# Allegro board ftu_k64_evk.brd (continued)
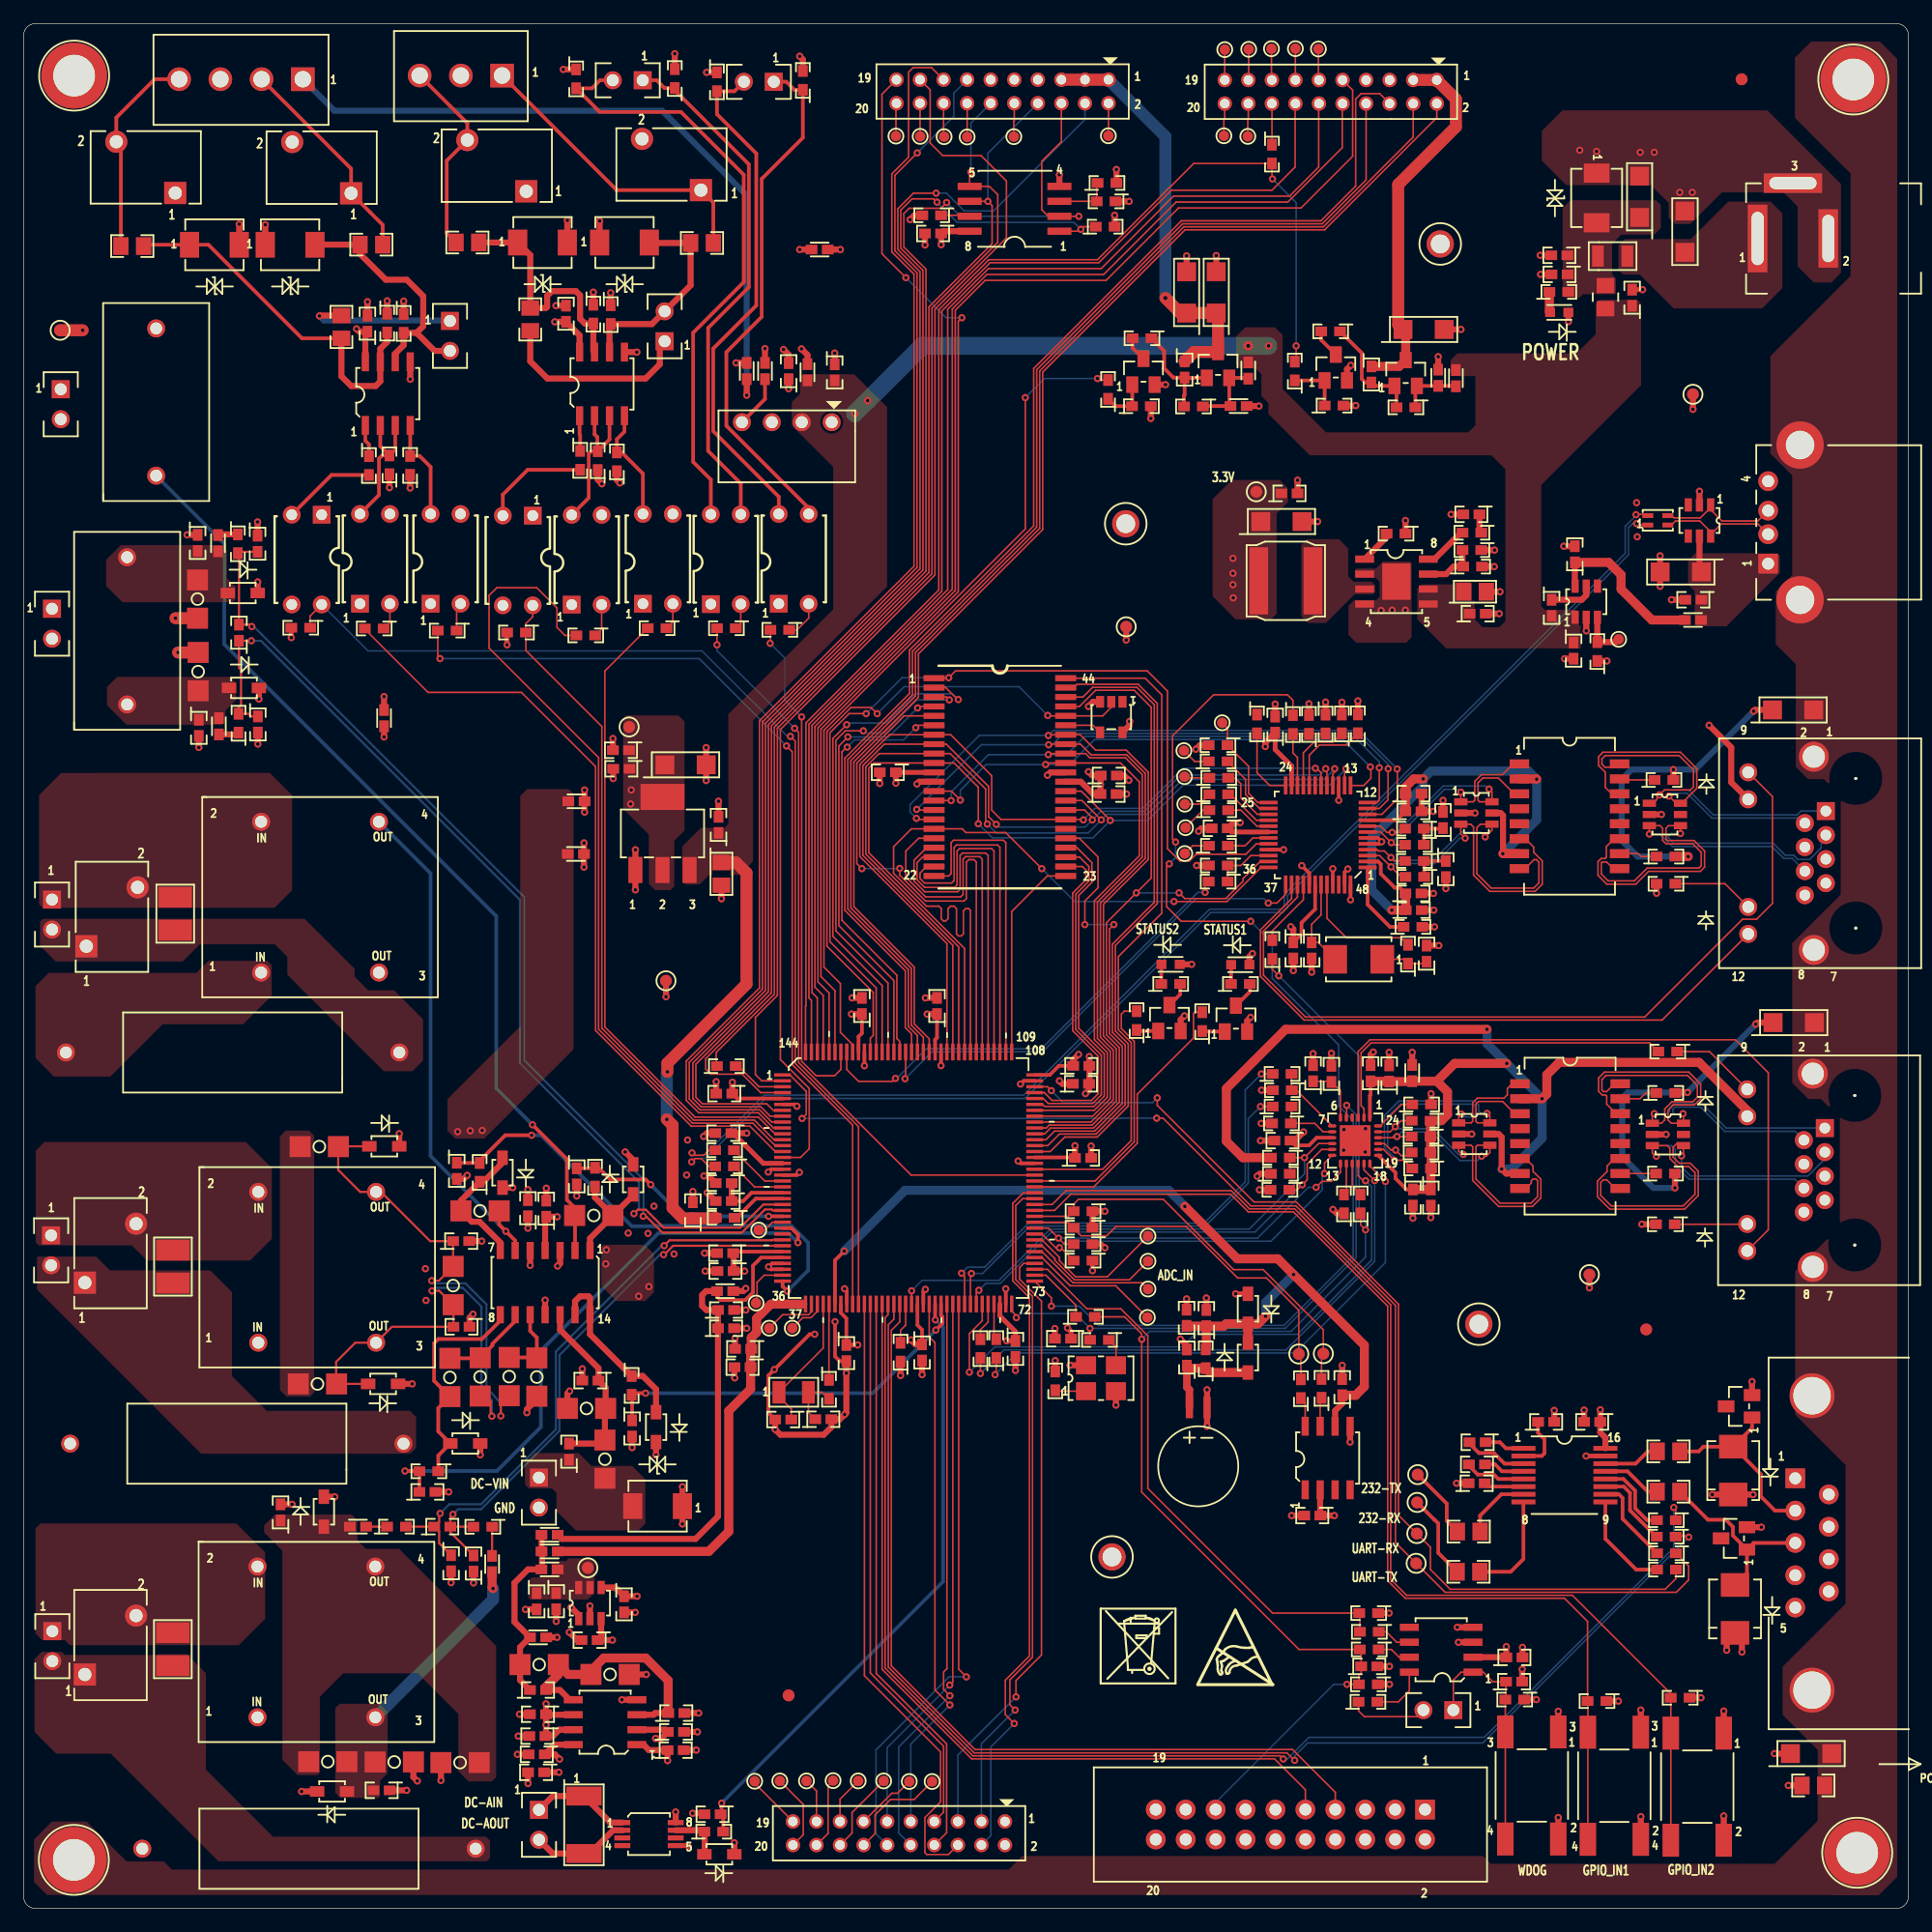
[diagram p0: board, top side]
## Placement (name value [footprint] x y rotation side) (continued)
R150  100K  [RC0603]  117.34 127.42 180 top
R151  470  [RC0603]  94.94 133.29 180 top
R152  470  [RC0603]  110.95 133.87 180 top
R153  1K  [RC0603]  92.06 128.94 90 top
R154  1K  [RC0603]  107.91 130.51 90 top
R155  10.0K  [RC0603]  94.89 127.52 0 top
R156  10.0K  [RC0603]  111.24 127.57 0 top
R157  1K  [RC0603]  130.32 137.22 0 top
R158  75K  [RC0603]  123.01 113.9 0 top
R159  180K  [RC0603]  116.5 116.7 180 top
R160  30K  [RC0603]  122.94 116.78 180 top
R161  24K  [RC0603]  122.94 115.31 180 top
R162  10K  [RC_MELF_0204]  43.77 20.7 0 top
R163  10K  [RC_MELF_0204]  49.79 19.86 0 top
SS1  .635" LONG  [SPACER_139T]  4.29 155.58 0 top
SS2  .635" LONG  [SPACER_139T]  4.27 4.12 0 top
SS3  .635" LONG  [SPACER_139T]  155.65 4.73 0 top
SS4  .635" LONG  [SPACER_139T]  155.32 155.25 0 top
SW1  SPST PB  [SW4_PB_ESW_SM_P177]  135.03 10.41 0 top
SW2  SPST PB  [SW4_PB_ESW_SM_P177]  142.07 10.34 0 top
SW3  SPST PB  [SW4_PB_ESW_SM_P177]  128.03 10.44 0 top
T1  H1102NL  [H1102_XFMR16_SM]  131.28 65.56 0 top
T2  H1102NL  [H1102_XFMR16_SM]  131.23 92.71 0 top
TP1  TEST POINT  [C035S]  95.4 50.16 0 top
TP2  TEST POINT  [C035S]  95.45 52.58 0 top
TP3  TEST POINT  [C035S]  95.45 54.94 0 top
TP4  TEST POINT  [C035S]  95.45 57.07 0 top
TP5  -  [TPAD_040]  110.33 47.09 90 top
TP6  -  [TPAD_040]  108.25 47.07 180 top
TP7  -  [TPAD_040]  47.9 28.92 0 top
TP8  TEST POINT  [C035S]  98.57 93.74 0 top
TP9  TEST POINT  [C035S]  98.57 89.55 0 top
TP10  TEST POINT  [C035S]  98.63 91.74 0 top
TP11  TEST POINT  [C035S]  98.55 96.07 0 top
TP12  TEST POINT  [C035S]  98.5 98.28 0 top
TP13  TEST POINT  [C035S]  101.75 100.65 0 top
TP17  TEST POINT  [C035S]  77.12 10.77 180 top
TP18  TEST POINT  [C035S]  70.85 10.82 180 top
TP19  TEST POINT  [C035S]  73.01 10.82 180 top
TP20  TEST POINT  [C035S]  135.4 107.73 0 top
TP21  -  [TPAD_040]  118.21 29.3 90 top
TP22  -  [TPAD_040]  118.27 31.82 0 top
TP23  -  [TPAD_040]  118.34 36.83 0 top
TP24  -  [TPAD_040]  118.29 34.46 0 top
TP25  TEST POINT  [C035S]  92.09 150.47 180 top
TP26  TEST POINT  [C035S]  84.06 150.4 180 top
TP27  TEST POINT  [C035S]  109.92 157.84 180 top
TP28  TEST POINT  [C035S]  107.96 157.87 180 top
TP29  TEST POINT  [C035S]  80.1 150.37 180 top
TP30  TEST POINT  [C035S]  105.93 157.87 180 top
TP31  TEST POINT  [C035S]  78.14 150.4 180 top
TP32  -  [TPAD_040]  104.64 120.25 0 top
TP33  -  [TPAD_040]  51.4 100.29 0 top
TP34  TEST POINT  [C035S]  104 157.81 180 top
TP35  TEST POINT  [C035S]  101.97 157.79 180 top
TP36  TEST POINT  [C035S]  103.92 150.42 180 top
TP37  TEST POINT  [C035S]  101.89 150.47 180 top
TP38  TEST POINT  [C035S]  76.11 150.42 180 top
TP39  TEST POINT  [C035S]  74.05 150.45 180 top
TP40  TEST POINT  [C035S]  66.46 10.82 180 top
TP41  TEST POINT  [C035S]  62.06 10.8 180 top
TP42  TEST POINT  [C035S]  68.72 10.85 180 top
TP43  TEST POINT  [C035S]  64.2 10.82 180 top
TP44  -  [TPAD_040]  3.11 133.96 0 top
TP45  TEST POINT  [C035S]  75.18 10.77 0 top
TP46  TEST POINT  [C035S]  63.3 49.26 0 top
TP47  TEST POINT  [C035S]  65.25 49.26 0 top
TP48  TEST POINT  [C035S]  62.18 51.39 0 top
TP49  TEST POINT  [C035S]  62.41 57.59 0 top
TP_GND1  TESTLOOP_BLACK  [TP_TH_063]  93.56 117.54 0 top
TP_GND2  TESTLOOP_BLACK  [TP_TH_063]  120.26 141.29 0 top
TP_GND3  TESTLOOP_BLACK  [TP_TH_063]  92.39 29.84 0 top
TP_GND4  TESTLOOP_BLACK  [TP_TH_063]  123.53 49.6 0 top
TP_GND5  -  [TPAD_040]  93.6 108.79 0 top
TP_GND6  -  [TPAD_040]  54.53 78.75 0 top
TP_GND7  -  [TPAD_040]  141.71 128.53 0 top
TP_GND8  -  [TPAD_040]  132.92 53.8 0 top
TVS1  SMBJ60CA  [DO-214AA_BIDIR]  53.82 34.15 180 top
TVS2  SMBJ6.0CA  [DO-214AA_BIDIR]  22.63 141.22 0 top
TVS3  SMBJ6.0CA  [DO-214AA_BIDIR]  16.2 141.22 0 top
TVS4  SMBJ6.0CA  [DO-214AA_BIDIR]  51.01 141.41 0 top
TVS5  SMBJ6.0CA  [DO-214AA_BIDIR]  44.05 141.41 0 top
TVS6  SMBJ6.0CA  [DO-214AA_BIDIR]  133.53 145.2 270 top
U1  MK64FN1M0VLQ12  [LQFP144_0P5_20X20MM]  75.13 62 0 top
U2  DS3231MZ  [SO8_1P27_4X5]  110.7 38.24 90 top
U3  IS61LV25616AL-10TLI  [TSOP44_T2]  82.87 96.04 0 top
U4  SN74LVC1G04  [SOT-23-5]  92.33 101.13 180 top
U5  W25Q64BVSSIG  [SO8WST]  84.12 144.28 180 top
U6  MCP6004-I/SL  [SOIC14_1P27_4X8]  44.27 53.12 270 top
U7  MAX44285TAUA+  [MSOP08_0P65_3P2X3P2]  53.09 6.31 0 top
U8  ADR3412ARJZ-R2  [SOT23-6]  48.08 25.92 0 top
U9  SRV05-4  [SOT23-6]  123.15 65.74 270 top
U10  SRV05-4  [SOT23-6]  139.58 65.7 270 top
U11  LAN8720A  [QFN24_4X4MM_SLUG]  113.04 65.18 180 top
U12  DM9000A  [LQFP48]  109.89 91.12 180 top
U13  SRV05-4  [SOT23-6]  123.32 92.99 270 top
U14  SRV05-4  [SOT23-6]  139.33 92.86 270 top
U15  PS2501-1  [4DIP300]  58.34 110.72 90 top
U16  PS2501-1  [4DIP300]  64.11 110.75 90 top
U17  MIC2005-0.5YM6  [SOT23-6]  132.65 110.92 0 top
U18  SRV05-4  [SOT23-6]  142.26 117.82 180 top
U19  PS2501-1  [4DIP300]  25.3 118.31 270 top
U20  B0505S-1W  [B0505S-1W_SIP]  64.79 126.16 180 top
U21  MAX14770EESA+T  [SO8_1P27_4X5]  30.92 128.59 90 top
U22  PS2501-1  [4DIP300]  28.56 110.75 90 top
U23  PS2501-1  [4DIP300]  34.55 110.75 90 top
U24  PS2501-1  [4DIP300]  43.22 118.23 270 top
U25  MAX14770EESA+T  [SO8_1P27_4X5]  49.1 129.41 90 top
U26  PS2501-1  [4DIP300]  46.53 110.67 90 top
U27  PS2501-1  [4DIP300]  52.57 110.75 90 top
U28  SP3232  [SSOP16]  130.8 36.78 0 top
U29  MAX706TESA  [SO8_1P27_4X5]  120.34 21.96 180 top
U30  RT8055GSP  [SO8_1P27_4X5_TAB]  116.54 112.63 0 top
U31  NCP1117ST33T3G  [SOT223]  54.24 91.25 0 top
U32  MCP6002-E/SN  [SO8_1P27_4X5]  49.36 15.81 180 top
V1  MOV-07D561K  [VARISTOR_5_9X5P8_TH]  5.33 81.68 90 top
V2  MOV-07D561K  [VARISTOR_5_9X5P8_TH]  5.2 53.12 90 top
V3  MOV-07D561K  [VARISTOR_5_9X5P8_TH]  5.2 19.86 90 top
V4  MOV-07D221K  [VARISTOR_5_9X5P8_TH]  27.8 145.59 180 top
V5  MOV-07D221K  [VARISTOR_5_9X5P8_TH]  12.87 145.62 180 top
V6  MOV-07D221K  [VARISTOR_5_9X5P8_TH]  57.5 145.86 180 top
V7  MOV-07D221K  [VARISTOR_5_9X5P8_TH]  42.67 145.76 180 top
V8  V30MLA1206  [RC1206]  141.03 142.33 90 top
Y1  50MHz  [OSC4_5P15X3P35MM]  91.46 45.01 0 top
Y2  25MHz  [XTAL2_4_5P2X3P4]  113.33 80.57 180 top

## Library data of the parts
BT1 = BATTERY_SKT_1
C1 C28 C60 C69 C72 = CAP_NP: room: RMII_PHY
C2-C27 C29-C59 C61-C68 C70 C71 C73-C78 C80-C93 C95-C103 C105-C108 C110-C113 C115-C126 = CAP_NP
C104 = CAP_NP: signal model: DEFAULT_CAPACITOR_1e+06pF_2_1
C109 C114 = MOT_CAP: signal model: DEFAULT_CAPACITOR_4.7e+07pF_2_1
CT1 CT2 = CT_2A
D1 D2 = DIODE_SCHTKY
D3-D7 D13-D18 = DIODE_BIDIR_0
D8 D9 D12 = LED
D10 D11 = BTSS-2P_0
DN1 DN2 = ESDA14V2L
F1 = FUSE
J1-J9 J12 J14 J17 = CONN_HDR_2X1
J10 J18 J21 J22 = HDR_2X10
J11 = USB_A
J13 = CON_HDR_1X4
J15 = CONN_HDR_3X1
J16 = CONN_DB9F_MTGTABS
L1-L11 L15-L18 L20-L23 L26 L27 = BEAD_0: room: RMII_PHY
L12 = BEAD_0
L14 = DLW43
L24 = BEAD
L25 = INDUCTOR
P1 P2 = RJ45_LED
P3 = DC POWER JACK
PT1-PT3 = PT_4P
Q1 Q2 = NPN
Q3 Q4 = MOSFET_P
Q5 Q6 = 2N7002
QZ1 = XTAL
R1-R18 R23-R58 R63-R69 R71-R74 R79-R106 R109-R133 R135 R137 R139 R141 R142 R144 R145 R149-R163 = RES
R59-R62 R75-R78 = RES: room: RMII_PHY
R70 R107 R108 R134 R136 R138 R140 R143 R146-R148 = RES: signal model: DEFAULT_RESISTOR_0.001OHM_2_1
SS1-SS4 = SPACER
SW1-SW3 = SW_PB_ESW
T1 T2 = H1102
TP1-TP4 TP8-TP13 TP17-TP20 TP25-TP31 TP34-TP43 TP45-TP49 = Test pad
TP5-TP7 TP21-TP24 TP32 TP33 TP44 TP_GND1-TP_GND8 = TestLoop
TVS1-TVS6 = DIODE_TVS_BIDIR
U1 = K60_LQ_LQFP_0
U2 = DS3231MZ
U3 = 64LV25616AL
U4 = NC7SZ14
U5 = M25P32
U6 = OPAMP_QUAD_14P
U7 = MAX44285
U8 = ADR34XX_SOT23_6P
U9 U10 U13 U14 U18 = SRV05-4
U11 = LAN8720A-QFN24: room: RMII_PHY
U12 = DM9000A_QFP48
U15 U16 U19 U22-U24 U26 U27 = PHOTOCOUPLER_4P
U17 = MIC2015-0.5YM6
U20 = B0505S-1W
U21 U25 = MAX13485
U28 = SP3232E
U29 = ADM706_8P
U30 = RT8011A_16_2
U31 = LD1117AS18
U32 = OPAMP_DUAL_8P_D
V1-V8 = VARISTOR
Y1 = CLKGEN-SM
Y2 = CRYSTAL

## Footprints (pads in the part's own frame, mm; a bottom-side part is the same pattern mirrored in y, then rotated)
4DIP300
  rect 1.499x1.499 hole 0.914: 1(0,0)
  round 1.499 hole 0.914: 2(0,-2.54) 3(7.62,-2.54) 4(7.62,0)
B0505S-1W_SIP
  round 1.524 hole 1.016: 1(-3.81,0) 2(-1.27,0) 3(1.27,0) 4(3.81,0)
BAT_621
  rect 0.61x1.829 smd: 1(-0.75,-1.6) 2(0.75,-1.6)
C035S
  round 0.889 smd: 1(0,0)
CC0603
  rect 0.991x0.813 smd: 1(-0.686,0) 2(0.686,0)
CC0805
  rect 1.295x1.499 smd: 1(-0.965,0) 2(0.965,0)
CC1206
  rect 1.6x1.6 smd: 1(-1.753,0) 2(1.753,0)
CC1210
  rect 1.778x2.845 smd: 1(-1.397,0) 2(1.397,0)
CON3_3P5_11X7MM
  rect 2.007x2.007 hole 1.397: 1(0,0)
  round 2.007 hole 1.397: 2(3.5,0) 3(7,0)
CON4_3P5_14P5X7MM
  rect 2.007x2.007 hole 1.397: 1(0,0)
  round 2.007 hole 1.397: 2(3.5,0) 3(7,0) 4(10.5,0)
CON8_RJ45_LED_JACK
  round 0.254 hole 3.251 unplated: (-9.935,-2.54) (2.765,-2.54)
  rect 1.524x1.524 hole 0.914: 1(0,0)
  round 1.524 hole 0.914: 2(-1.02,1.78) 3(-2.04,0) 4(-3.06,1.78) 5(-4.08,0) 6(-5.1,1.78) 7(-6.12,0) 8(-7.14,1.78)
  round 1.524 hole 1.016: 9(3.29,6.59) 10(1,6.59) 11(-8.14,6.59) 12(-10.43,6.59)
  round 2.54 hole 1.88: S1(-11.785,1.02) S2(4.615,1.02)
CON_DB9S_RA_318
  rect 1.676x1.676 hole 1.016: 1(0,0)
  round 1.676 hole 1.016: 2(0,-2.743) 3(0,-5.486) 4(0,-8.23) 5(0,-10.973) 6(2.845,-1.372) 7(2.845,-4.115) 8(2.845,-6.858) 9(2.845,-9.601)
  round 3.81 hole 3.175: M1(1.422,7.01) M2(1.422,-17.983)
CT_2A
  round 1.524 hole 1.016: 1(-6.25,0) 2(6.25,0)
DO-214AA
  rect 2x2.4 smd: A(2.032,0) C(-2.032,0)
DO-214AA_BIDIR
  rect 1.626x2.184 smd: 1(-2.108,0) 2(2.108,0)
FUSE_3P4X1P8
  rect 0.991x1.803 smd: 1(-1.25,0) 2(1.25,0)
H1102_XFMR16_SM
  rect 1.651x0.762 smd: 1(-4.255,4.445) 2(-4.255,3.175) 3(-4.255,1.905) 4(-4.255,0.635) 5(-4.255,-0.635) 6(-4.255,-1.905) 7(-4.255,-3.175) 8(-4.255,-4.445) 9(4.255,-4.445) 10(4.255,-3.175) 11(4.255,-1.905) 12(4.255,-0.635) 13(4.255,0.635) 14(4.255,1.905) 15(4.255,3.175) 16(4.255,4.445)
HDR102
  rect 1.524x1.524 hole 1.016: 1(0,0)
  round 1.524 hole 1.016: 2(0,-2.54)
HDR210_2MM
  round 1.219 hole 0.813: 1(-9,-1) 2(-9,1) 3(-7,-1) 4(-7,1) 5(-5,-1) 6(-5,1) 7(-3,-1) 8(-3,1) 9(-1,-1) 10(-1,1) 11(1,-1) 12(1,1) 13(3,-1) 14(3,1) 15(5,-1) 16(5,1) 17(7,-1) 18(7,1) 19(9,-1) 20(9,1)
HDR_2X10
  rect 1.676x1.676 hole 1.016: 1(0,0)
  round 1.676 hole 1.016: 2(2.54,0) 3(0,-2.54) 4(2.54,-2.54) 5(0,-5.08) 6(2.54,-5.08) 7(0,-7.62) 8(2.54,-7.62) 9(0,-10.16) 10(2.54,-10.16) 11(0,-12.7) 12(2.54,-12.7) 13(0,-15.24) 14(2.54,-15.24) 15(0,-17.78) 16(2.54,-17.78) 17(0,-20.32) 18(2.54,-20.32) 19(0,-22.86) 20(2.54,-22.86)
IND2_6P3X6P3
  rect 1.6x5.7 smd: 1(-2.3,0) 2(2.3,0)
IND4_CHOKE_0805
  rect 0.914x0.406 smd: 1(-0.85,-0.4) 2(0.85,-0.4) 3(0.85,0.4) 4(-0.85,0.4)
IND_0603
  rect 0.991x0.813 smd: 1(-0.69,0) 2(0.69,0)
IND_0805
  rect 1.295x1.499 smd: 1(-0.978,0) 2(0.978,0)
LED_0603
  rect 0.838x0.787 smd: A(-0.775,0) C(0.775,0)
LQFP48
  rect 1.524x0.305 smd: 1(-4.204,2.752) 2(-4.204,2.252) 3(-4.204,1.751) 4(-4.204,1.251) 5(-4.204,0.751) 6(-4.204,0.25) 7(-4.204,-0.25) 8(-4.204,-0.751) 9(-4.204,-1.251) 10(-4.204,-1.751) 11(-4.204,-2.252) 12(-4.204,-2.752) 25(4.204,-2.752) 26(4.204,-2.252) 27(4.204,-1.751) 28(4.204,-1.251) 29(4.204,-0.751) 30(4.204,-0.25) 31(4.204,0.25) 32(4.204,0.751) 33(4.204,1.251) 34(4.204,1.751) 35(4.204,2.252) 36(4.204,2.752)
  rect 0.305x1.524 smd: 13(-2.752,-4.204) 14(-2.252,-4.204) 15(-1.751,-4.204) 16(-1.251,-4.204) 17(-0.751,-4.204) 18(-0.25,-4.204) 19(0.25,-4.204) 20(0.751,-4.204) 21(1.251,-4.204) 22(1.751,-4.204) 23(2.252,-4.204) 24(2.752,-4.204) 37(2.752,4.204) 38(2.252,4.204) 39(1.751,4.204) 40(1.251,4.204) 41(0.751,4.204) 42(0.25,4.204) 43(-0.25,4.204) 44(-0.751,4.204) 45(-1.251,4.204) 46(-1.751,4.204) 47(-2.252,4.204) 48(-2.752,4.204)
LQFP144_0P5_20X20MM
  rect 1.422x0.279 smd: 1(-10.7,8.75) 2(-10.7,8.25) 3(-10.7,7.75) 4(-10.7,7.25) 5(-10.7,6.75) 6(-10.7,6.25) 7(-10.7,5.75) 8(-10.7,5.25) 9(-10.7,4.75) 10(-10.7,4.25) 11(-10.7,3.75) 12(-10.7,3.25) 13(-10.7,2.75) 14(-10.7,2.25) 15(-10.7,1.75) 16(-10.7,1.25) 17(-10.7,0.75) 18(-10.7,0.25) 19(-10.7,-0.25) 20(-10.7,-0.75) 21(-10.7,-1.25) 22(-10.7,-1.75) 23(-10.7,-2.25) 24(-10.7,-2.75) 25(-10.7,-3.25) 26(-10.7,-3.75) 27(-10.7,-4.25) 28(-10.7,-4.75) 29(-10.7,-5.25) 30(-10.7,-5.75) 31(-10.7,-6.25) 32(-10.7,-6.75) 33(-10.7,-7.25) 34(-10.7,-7.75) 35(-10.7,-8.25) 36(-10.7,-8.75) 73(10.7,-8.75) 74(10.7,-8.25) 75(10.7,-7.75) 76(10.7,-7.25) 77(10.7,-6.75) 78(10.7,-6.25) 79(10.7,-5.75) 80(10.7,-5.25) 81(10.7,-4.75) 82(10.7,-4.25) 83(10.7,-3.75) 84(10.7,-3.25) 85(10.7,-2.75) 86(10.7,-2.25) 87(10.7,-1.75) 88(10.7,-1.25) 89(10.7,-0.75) 90(10.7,-0.25) 91(10.7,0.25) 92(10.7,0.75) 93(10.7,1.25) 94(10.7,1.75) 95(10.7,2.25) 96(10.7,2.75) 97(10.7,3.25) 98(10.7,3.75) 99(10.7,4.25) 100(10.7,4.75) 101(10.7,5.25) 102(10.7,5.75) 103(10.7,6.25) 104(10.7,6.75) 105(10.7,7.25) 106(10.7,7.75) 107(10.7,8.25) 108(10.7,8.75)
  rect 0.279x1.422 smd: 37(-8.75,-10.7) 38(-8.25,-10.7) 39(-7.75,-10.7) 40(-7.25,-10.7) 41(-6.75,-10.7) 42(-6.25,-10.7) 43(-5.75,-10.7) 44(-5.25,-10.7) 45(-4.75,-10.7) 46(-4.25,-10.7) 47(-3.75,-10.7) 48(-3.25,-10.7) 49(-2.75,-10.7) 50(-2.25,-10.7) 51(-1.75,-10.7) 52(-1.25,-10.7) 53(-0.75,-10.7) 54(-0.25,-10.7) 55(0.25,-10.7) 56(0.75,-10.7) 57(1.25,-10.7) 58(1.75,-10.7) 59(2.25,-10.7) 60(2.75,-10.7) 61(3.25,-10.7) 62(3.75,-10.7) 63(4.25,-10.7) 64(4.75,-10.7) 65(5.25,-10.7) 66(5.75,-10.7) 67(6.25,-10.7) 68(6.75,-10.7) 69(7.25,-10.7) 70(7.75,-10.7) 71(8.25,-10.7) 72(8.75,-10.7) 109(8.75,10.7) 110(8.25,10.7) 111(7.75,10.7) 112(7.25,10.7) 113(6.75,10.7) 114(6.25,10.7) 115(5.75,10.7) 116(5.25,10.7) 117(4.75,10.7) 118(4.25,10.7) 119(3.75,10.7) 120(3.25,10.7) 121(2.75,10.7) 122(2.25,10.7) 123(1.75,10.7) 124(1.25,10.7) 125(0.75,10.7) 126(0.25,10.7) 127(-0.25,10.7) 128(-0.75,10.7) 129(-1.25,10.7) 130(-1.75,10.7) 131(-2.25,10.7) 132(-2.75,10.7) 133(-3.25,10.7) 134(-3.75,10.7) 135(-4.25,10.7) 136(-4.75,10.7) 137(-5.25,10.7) 138(-5.75,10.7) 139(-6.25,10.7) 140(-6.75,10.7) 141(-7.25,10.7) 142(-7.75,10.7) 143(-8.25,10.7) 144(-8.75,10.7)
MSOP08_0P65_3P2X3P2
  rect 1.346x0.432 smd: 1(-2.264,0.975) 2(-2.264,0.325) 3(-2.264,-0.325) 4(-2.264,-0.975) 5(2.264,-0.975) 6(2.264,-0.325) 7(2.264,0.325) 8(2.264,0.975)
OSC4_5P15X3P35MM
  rect 1.702x1.524 smd: 1(-1.27,-1.1) 2(1.27,-1.1) 3(1.27,1.1) 4(-1.27,1.1)
PJ-202B
  rect 1.651x5.74 hole 1.016x4.521: 1(0,0)
  rect 1.651x4.953 hole 1.016x4.013: 2(6,0)
  rect 4.953x1.651 hole 4.013x1.016: 3(3,4.7)
PT_4P
  round 1.524 hole 1.016: 1(-5,-6.4) 2(-5,6.4) 3(5,-6.4) 4(5,6.4)
QFN24_4X4MM_SLUG
  oval 0.279x0.711 smd: 1(-1.25,-1.956) 2(-0.75,-1.956) 3(-0.25,-1.956) 4(0.25,-1.956) 5(0.75,-1.956) 6(1.25,-1.956) 13(1.25,1.956) 14(0.75,1.956) 15(0.25,1.956) 16(-0.25,1.956) 17(-0.75,1.956) 18(-1.25,1.956)
  oval 0.711x0.279 smd: 7(1.956,-1.25) 8(1.956,-0.75) 9(1.956,-0.25) 10(1.956,0.25) 11(1.956,0.75) 12(1.956,1.25) 19(-1.956,1.25) 20(-1.956,0.75) 21(-1.956,0.25) 22(-1.956,-0.25) 23(-1.956,-0.75) 24(-1.956,-1.25)
  rect 2.616x2.616 smd: 25(0,0)
RC0603
  rect 0.991x0.813 smd: 1(-0.8,0) 2(0.8,0)
RC0805
  rect 1.295x1.499 smd: 1(-0.965,0) 2(0.965,0)
RC1206
  rect 1.6x1.6 smd: 1(-1.753,0) 2(1.753,0)
RC2010
  rect 1.6x2.997 smd: 1(-2.438,0) 2(2.438,0)
RC_MELF_0204
  rect 1.778x1.778 smd: 1(-1.625,0) 2(1.625,0)
RES_TH
  round 1.524 hole 1.016: 1(-14.15,0) 2(14.15,0)
SO8_1P27_4X5
  rect 1.6x0.61 smd: 1(-2.7,1.905) 2(-2.7,0.635) 3(-2.7,-0.635) 4(-2.7,-1.905) 5(2.7,-1.905) 6(2.7,-0.635) 7(2.7,0.635) 8(2.7,1.905)
SO8_1P27_4X5_TAB
  rect 1.6x0.61 smd: 1(-2.7,1.905) 2(-2.7,0.635) 3(-2.7,-0.635) 4(-2.7,-1.905) 5(2.7,-1.905) 6(2.7,-0.635) 7(2.7,0.635) 8(2.7,1.905)
  rect 2.413x3.099 smd: 9(0,0)
SO8WST
  rect 2.032x0.61 smd: 1(-3.81,1.905) 2(-3.81,0.635) 3(-3.81,-0.635) 4(-3.81,-1.905) 5(3.81,-1.905) 6(3.81,-0.635) 7(3.81,0.635) 8(3.81,1.905)
SOD323
  rect 0.889x1.219 smd: A(0,1.27) C(0,-1.27)
SOIC14_1P27_4X8
  rect 1.448x0.61 smd: 1(-2.726,3.81) 2(-2.726,2.54) 3(-2.726,1.27) 4(-2.726,0) 5(-2.726,-1.27) 6(-2.726,-2.54) 7(-2.726,-3.81) 8(2.726,-3.81) 9(2.726,-2.54) 10(2.726,-1.27) 11(2.726,0) 12(2.726,1.27) 13(2.726,2.54) 14(2.726,3.81)
SOT23-6
  rect 0.61x1.118 smd: 1(-0.95,-1.321) 2(0,-1.321) 3(0.95,-1.321) 4(0.95,1.321) 5(0,1.321) 6(-0.95,1.321)
SOT223
  rect 1.194x2.21 smd: 1(-2.3,-3.1) 2(0,-3.1) 3(2.3,-3.1)
  rect 3.734x2.21 smd: 4(0,3.1)
SOT-23
  rect 1.016x1.397 smd: 1(-0.95,-1.1) 2(0.95,-1.1) 3(0,1.1)
SOT-23-5
  rect 0.686x0.991 smd: 1(-0.953,-1.295) 2(0,-1.295) 3(0.953,-1.295) 4(0.953,1.295) 5(-0.953,1.295)
SPACER_139T
  round 5.588 hole 3.531: 1(0,0)
SSOP16
  rect 2.032x0.406 smd: 1(-3.48,2.276) 2(-3.48,1.626) 3(-3.48,0.975) 4(-3.48,0.325) 5(-3.48,-0.325) 6(-3.48,-0.975) 7(-3.48,-1.626) 8(-3.48,-2.276) 9(3.48,-2.276) 10(3.48,-1.626) 11(3.48,-0.975) 12(3.48,-0.325) 13(3.48,0.325) 14(3.48,0.975) 15(3.48,1.626) 16(3.48,2.276)
SW4_PB_ESW_SM_P177
  rect 1.397x2.794 smd: 1(2.248,4.547) 2(2.248,-4.547) 3(-2.248,4.547) 4(-2.248,-4.547)
TP_TH_063
  round 2.311 hole 1.6: 1(0,0)
TPAD_040
  round 1.016 smd: 1(0,0)
TSOP44_T2
  rect 1.778x0.508 smd: 1(-5.588,8.395) 2(-5.588,7.595) 3(-5.588,6.795) 4(-5.588,5.994) 5(-5.588,5.194) 6(-5.588,4.394) 7(-5.588,3.594) 8(-5.588,2.794) 9(-5.588,1.994) 10(-5.588,1.194) 11(-5.588,0.394) 12(-5.588,-0.394) 13(-5.588,-1.194) 14(-5.588,-1.994) 15(-5.588,-2.794) 16(-5.588,-3.594) 17(-5.588,-4.394) 18(-5.588,-5.194) 19(-5.588,-5.994) 20(-5.588,-6.795) 21(-5.588,-7.595) 22(-5.588,-8.395) 23(5.588,-8.395) 24(5.588,-7.595) 25(5.588,-6.795) 26(5.588,-5.994) 27(5.588,-5.194) 28(5.588,-4.394) 29(5.588,-3.594) 30(5.588,-2.794) 31(5.588,-1.994) 32(5.588,-1.194) 33(5.588,-0.394) 34(5.588,0.394) 35(5.588,1.194) 36(5.588,1.994) 37(5.588,2.794) 38(5.588,3.594) 39(5.588,4.394) 40(5.588,5.194) 41(5.588,5.994) 42(5.588,6.795) 43(5.588,7.595) 44(5.588,8.395)
unnamed#2
  round 1.016 smd: 1(0,0)
USB_A
  rect 1.676x1.676 hole 1.016: A1(0,0)
  round 1.676 hole 1.016: A2(2.499,0) A3(4.501,0) A4(7,0)
  round 4.013 hole 2.413: S1(-3.071,-2.71) S2(10.071,-2.71)
VARISTOR_5_9X5P8_TH
  rect 1.88x1.88 hole 1.118: 1(0,0)
  round 1.88 hole 1.118: 2(5,-4.35)
XTAL2-3P2X1P5-SM
  rect 1.092x1.905 smd: 1(-1.25,0) 2(1.25,0)
XTAL2_4_5P2X3P4
  rect 2.007x2.413 smd: 1(-2,0) 2(2,0)

## Nets
5V_DC_JACK: F1.1 P3.1(PIN) V8.1
5V_IN: C103.1 C104.1 C105.1 F1.2 L24.1 R157.2 TVS6.2(A2)
AGND: C85.2 C87.1 C88.2 J13.3 J15.2 L18.2 R107.2 R108.2 R117.1 R127.1 TVS2.1(A1) TVS3.2(A2) TVS4.1(A1) TVS5.2(A2) U20.3(0) U21.5(GND) U22.3(EMITTER) U23.3(EMITTER) U25.5(GND) U26.3(EMITTER) U27.3(EMITTER) V4.2 V5.1 V6.2 V7.1
GND: BT1.1(POS1) C1.2 C2.2 C3.2 C4.2 C5.2 C6.2 C7.2 C8.2 C9.2 C10.2 C17.2 C18.2 C19.2 C20.2 C21.2 C22.2 C23.2 C24.2 C25.2 C26.2 C27.2 C28.2 C29.2 C30.2 C31.2 C60.2 C61.2 C62.2 C63.2 C64.2 C66.1 C67.2 C68.2 C69.2 C70.2 C71.2 C72.2 C73.2 C74.2 C75.2 C77.2 C78.2 C80.2 C81.2 C82.2 C84.2 C86.1 C89.2 C90.2 C91.1 C95.2 C96.2 C97.2 C98.2 C99.2 C101.2 C103.2 C104.2 C105.2 C106.2 C107.2 C108.2 C109.2 C110.2 C111.2 C112.2 C113.2 C114.2 C115.2 C116.2 C125.2 C126.2 D10.C(2) D11.C(2) D12.C(CATHODE) DN1.2 DN2.2 J10.2 J11.A4(GND) J16.5 J18.4 J18.6 J18.8 J18.10 J18.12 J18.14 J18.16 J18.18 J18.20 J21.7 J21.9 J21.11 J22.5 J22.7 L2.2 L18.1 P3.2 P3.3 Q1.2(EMITTER) Q2.2(EMITTER) Q5.2(SOURCE) Q6.2(SOURCE) R26.1 R67.2 R72.1 R73.2 R74.1 R88.1 R94.2 R97.2 R155.2 R156.2 R159.1 R161.1 SW1.1(A1) SW1.2(A2) SW2.1(A1) SW2.2(A2) SW3.1(A1) SW3.2(A2) TP_GND1.1(PIN1) TP_GND2.1(PIN1) TP_GND3.1(PIN1) TP_GND4.1(PIN1) TP_GND5.1(PIN1) TP_GND6.1(PIN1) TP_GND7.1(PIN1) TP_GND8.1(PIN1) TVS6.1(A1) U1.6(VSS1) U1.17(VSS2) U1.18(VSSUSB) U1.44(VSS3) U1.57(VSS4) U1.71(VSS5) U1.93(VSS6) U1.107(VSS7) U1.121(VSS8) U1.134(VSS9) U2.5(GND) U3.12(GND1) U3.34(GND2) U4.3(GND) U5.4(VSS) U9.2(GND) U10.2(GND) U11.25(VSS) U12.5(RXGND1) U12.6(TXGND) U12.15(GND1) U12.33(GND2) U12.41(TEST) U12.45(GND3) U12.47(RXGND2) U12.48(BGGND) U13.2(GND) U14.2(GND) U17.2(GND) U18.2(GND) U19.3(EMITTER) U20.1(GND) U24.3(EMITTER) U28.15(GND) U29.3(GND) U29.4(PFI) U30.2(GND) U30.4(PGND) U30.9(PAD) U31.1(GND) V8.2 Y1.2(GND)
GND_EARTH: C65.2 C66.2 C76.2 J11.S1(SGND1) J11.S2(SGND2) J16.M1 J16.M2 P1.S1 P1.S2 P2.S1 P2.S2 R72.2 SS2.1(NC_1) SS3.1(NC_1) SS4.1(NC_1)
GNDA: C11.2 C12.2 C13.2 C14.2 C15.2 C16.2 C32.2 C33.2 C34.2 C35.2 C36.2 C38.1 C39.2 C40.1 C42.2 C43.2 C45.1 C47.2 C48.2 C49.2 C50.2 C53.1 C54.1 C55.2 C56.2 C57.2 C58.2 C59.2 C117.2 C118.2 C119.2 C120.2 C121.2 C122.2 C124.2 D3.C(C2) D4.C(C2) D5.C(C2) D6.C(C2) D7.C(C2) D13.C(C2) D14.C(C2) D15.C(C2) D16.C(C2) D17.C(C2) D18.C(C2) J5.2 L2.1 R47.2 R163.2 TVS1.1(A1) U1.33(VREFL) U1.34(VSSA) U6.11(VEE) U7.5(GND) U8.1(GND_FORCE) U8.2(GND_SENSE) U32.4(VSS)
GPRS_3V3/5V: C101.1 C102.1 J22.1 J22.3 Q4.3(DRAIN)
P3V3_LICELL: BT1.2(POS2) C27.1 D2.A R17.1
VBAT: C23.1 C24.1 C25.1 D1.C D2.C R17.2 U1.42(VBAT) U2.6(VBAT)
VCC_3V3: C114.1 C115.1 C116.1 L4.2 TP33.1(PIN1) U31.2(VOUT) U31.4(TAB)
VDD_3V3: C1.1 C2.1 C3.1 C4.1 C5.1 C6.1 C7.1 C8.1 C9.1 C10.1 C22.1 C26.1 C28.1 C29.1 C30.1 C31.1 C62.1 C69.1 C70.1 C71.1 C90.1 C96.1 C109.1 C110.1 D1.A D8.A(ANODE) D9.A(ANODE) J10.1 J18.1 L3.2 L11.1 L20.2 L21.2 L25.2 P2.10(LED2+) R1.1 R5.1 R6.1 R7.1 R8.1 R16.1 R23.2 R24.2 R25.2 R56.2 R57.2 R58.2 R71.1 R79.2 R80.2 R81.2 R82.2 R83.2 R109.1 R110.1 R111.1 R112.2 R120.2 R142.1 R144.1 R145.1 R158.2 TP32.1(PIN1) U1.5(VDD1) U1.16(VDD2) U1.43(VDD3) U1.56(VDD4) U1.70(VDD5) U1.94(VDD6) U1.108(VDD7) U1.122(VDD8) U1.135(VDD9) U2.2(VCC) U3.11(VDD1) U3.33(VDD2) U4.5(VCC) U5.8(VCC) U11.9(VDDIO) U12.23(VDD1) U12.30(VDD2) U12.42(VDD3) U15.1(ANODE) U16.1(ANODE) U22.1(ANODE) U23.1(ANODE) U26.1(ANODE) U27.1(ANODE) U28.16(VCC) U29.2(VCC) Y1.4(VDD)
VDD_5V: C19.1 C82.1 C83.2 C86.2 C106.1 C107.1 C108.1 C112.1 C113.1 L16.1 L22.2 L23.2 L24.2 R3.2 U17.1(VIN) U20.2(VIN) U30.5(PVDD) U30.6(VDD) U31.3(VIN)
VDDA_2V5: C72.1 C73.1 C74.1 C75.1 T2.2 T2.7 U12.2(RXVDD25) U12.9(TXVDD25) U13.5(VCC)
VDDA_3V3: C15.1 C16.1 C32.1 C33.1 C56.1 C57.1 C117.1 C118.1 L1.2 L3.1 L4.1 U1.31(VDDA) U6.4(VCC) U7.8(VDD) U8.3(ENABLE) U8.4(VIN) U32.8(VDD)
VDDCR_1.2V: C67.1 C68.1 U11.6(VDDCR)
WIFI/LCD_3V3/5V: C98.1 C99.1 C100.1 J21.1 J21.3 J21.5 Q3.3(DRAIN)
ADC_S1: TP4.1(PIN1) U1.80(PTA29/ADC2_SE12/ULPI_DATA7/MII0)
ADC_S2: TP3.1(PIN1) U1.79(PTA28/ADC2_SE13/ULPI_DATA6/MII0)
ADC_S3: TP2.1(PIN1) U1.78(PTA27/ADC2_SE14/ULPI_DATA5/MII0)
ADC_S4: TP1.1(PIN1) U1.77(PTA26/ADC2_SE15/ULPI_DATA4/MII0)
DC_A1_OUT: C55.1 R55.2 U1.59(PTA7/ADC0_SE10/ULPI_DIR/FTM0_CH)
DC_IN: J6.1 R48.1 U7.1(RS1+)
DC_OUT: J6.2 R48.2 U7.2(RS1-)
DC_V1_IN: C46.1 J5.1 R45.1 TVS1.2(A2)
DC_V1_OUT: C48.1 R46.2 U1.60(PTA8/ADC0_SE11/ULPI_NXT/FTM1_CH)
DEBUG_RX: R138.1 U1.51(PTA1/TSI0_CH2/UART0_RX/FTM0_CH6)
DEBUG_TX: R134.1 U1.52(PTA2/TSI0_CH3/UART0_TX/FTM0_CH7)
DM9000_INT#: R95.2 U1.137(PTD8/I2C0_SCL/UART5_RX/FB_A16/N)
DM9000_WAKE: R91.1 U1.73(PTA19/XTAL/FTM1_FLT0/FTM_CLKIN1)
DM_INT: R83.1 R95.1 U12.34(INT)
DM_LED1: P2.9(LED2-) U12.39(LED1)
DM_LED2: P2.12(LED1+) U12.38(LED2)
EECLK: R80.1 U12.20(EECLK)
EECS: R79.1 U12.21(EECS)
ENET1_RX+: R59.2 T1.6 U9.3(I/O3) U11.23(RXP)
ENET1_RX-: R60.2 T1.8 U9.4(I/O4) U11.22(RXN)
ENET1_TX+: R61.2 T1.1 U9.1(I/O1) U11.21(TXP)
ENET1_TX-: R62.2 T1.3 U9.6(I/O6) U11.20(TXN)
ENET2_RX+: R77.2 T2.6 U12.3(RX+) U13.3(I/O3)
ENET2_RX-: R78.2 T2.8 U12.4(RX-) U13.4(I/O4)
ENET2_TX+: R75.2 T2.1 U12.7(TX+) U13.1(I/O1)
ENET2_TX-: R76.2 T2.3 U12.8(TX-) U13.6(I/O6)
ENET_3V3A: C60.1 C61.1 C63.1 C64.1 L11.2 P1.10(LED2+) R59.1 R60.1 R61.1 R62.1 R70.2 T1.2 T1.7 U9.5(VCC) U11.1(VDD2A) U11.19(VDD1A)
ETH1_RXN: P1.6 T1.9 U10.3(I/O3)
ETH1_RXP: P1.3 T1.11 U10.4(I/O4)
ETH1_TXN: P1.2 T1.14 U10.6(I/O6)
ETH1_TXP: P1.1 T1.16 U10.1(I/O1)
ETH2_RXN: P2.6 T2.9 U14.3(I/O3)
ETH2_RXP: P2.3 T2.11 U14.4(I/O4)
ETH2_TXN: P2.2 T2.14 U14.6(I/O6)
ETH2_TXP: P2.1 T2.16 U14.1(I/O1)
EXT_5V: J13.1 L17.1
EXTAL: R18.2 U1.72(PTA18/EXTAL/FTM0_FLT2/FTM_CLKIN) U11.5(XTAL1/CLKIN)
EZP_CS: R1.2 U1.54(PTA4/TSI0_CH5/FTM0_CH1/N\M\I\/E)
FB_AD0: U1.133(PTD6/ADC0_SE7B/SPI0_PCS3/UART0_) U3.40(U\B\) U4.2(A)
FB_AD0_N: U3.39(L\B\) U4.4(Y)
FB_AD1: U1.132(PTD5/ADC0_SE6B/SPI0_PCS2/U\A\R\) U3.1(A0) U12.32(CMD)
FB_AD2: U1.131(PTD4/SPI0_PCS1/U\A\R\T\0\_\R\T\) U3.2(A1)
FB_AD3: U1.130(PTD3/SPI0_SIN/UART2_TX/FTM3_CH3) U3.3(A2)
FB_AD4: U1.129(PTD2/SPI0_SOUT/UART2_RX/FTM3_CH) U3.4(A3)
FB_AD5: U1.115(PTC10/ADC1_SE6B/I2C1_SCL/FTM3_C) U3.5(A4)
FB_AD6: U1.114(PTC9/ADC1_SE5B/CMP0_IN3/FTM3_CH) U3.18(A5)
FB_AD7: U1.113(PTC8/ADC1_SE4B/CMP0_IN2/FTM3_CH) U3.19(A6)
FB_AD8: U1.112(PTC7/CMP0_IN1/SPI0_SIN/USB_SOF_) U3.20(A7)
FB_AD9: U1.111(PTC6/CMP0_IN0/SPI0_SOUT/PDB0_EX) U3.21(A8)
FB_AD10: U1.110(PTC5/SPI0_SCK/LPTMR0_ALT2/FB_AD) U3.22(A9)
FB_AD11: U1.109(PTC4/SPI0_PCS0/UART1_TX/FTM0_CH) U3.23(A10)
FB_AD12: U1.105(PTC2/ADC0_SE4B/TSI0_CH15/SPI0_P) U3.24(A11)
FB_AD13: U1.104(PTC1/ADC0_SE15/TSI0_CH14/SPI0_P) U3.25(A12)
FB_AD14: U1.103(PTC0/ADC0_SE14/TSI0_CH13/SPI0_P) U3.26(A13)
FB_AD15: U1.97(PTB18/TSI0_CH11/CAN0_TX/FTM2_CH) U3.27(A14)
FB_AD16: U1.96(PTB17/TSI0_CH10/SPI1_SIN/UART0_) U3.42(A15)
FB_AD17: U1.95(PTB16/TSI0_CH9/SPI1_SOUT/UART0_) U3.43(A16)
FB_AD18: U1.92(PTB11/ADC1_SE15/SPI1_SCK/UART3_) U3.44(A17)
FB_AD24: U1.120(PTC15/UART4_TX/FB_AD24) U3.7(I/O0) U3.29(I/O8) U12.18(SD0)
FB_AD25: U1.119(PTC14/UART4_RX/FB_AD25) U3.8(I/O1) U3.30(I/O9) U12.17(SD1)
FB_AD26: U1.118(PTC13/U\A\R\T\4\_\C\T\S\/FB_AD2) U3.9(I/O2) U3.31(I/O10) U12.16(SD2)
FB_AD27: U1.117(PTC12/U\A\R\T\4\_\R\T\S\/FB_AD2) U3.10(I/O3) U3.32(I/O11) U12.14(SD3)
FB_AD28: U1.102(PTB23/SPI2_SIN/SPI0_PCS5/FB_AD2) U3.13(I/O4) U3.35(I/O12) U12.13(SD4)
FB_AD29: U1.101(PTB22/SPI2_SOUT/FB_AD29/NFC_DAT) U3.14(I/O5) U3.36(I/O13) U12.12(SD5)
FB_AD30: U1.100(PTB21/ADC2_SE5A/SPI2_SCK/FB_AD3) U3.15(I/O6) U3.37(I/O14) U12.11(SD6)
FB_AD31: U1.99(PTB20/ADC2_SE4A/SPI2_PCS0/FB_AD) U3.16(I/O7) U3.38(I/O15) U12.10(SD7)
FB_CS0_N: U1.128(PTD1/ADC0_SE5B/SPI0_SCK/U\A\R\T) U3.6(C\E\)
FB_CS1_N: U1.127(PTD0/SPI0_PCS0/U\A\R\T\2\_\R\T\) U12.37(C\S\)
FB_OE_N: U1.98(PTB19/TSI0_CH12/CAN0_RX/FTM2_CH) U3.41(O\E\) U12.35(I\O\R\)
FB_RW_N: U1.116(PTC11/ADC1_SE7B/I2C1_SDA/FTM3_C) U3.17(W\E\) U12.36(I\O\W\)
GP6: R82.1 TP13.1(PIN1) U12.25(SD13/GP6)
GPIO_1: J10.3 U1.87(PTB6/ADC1_SE12/FB_AD23)
GPIO_2: J10.4 U1.88(PTB7/ADC1_SE13/FB_AD22)
GPIO_3: J10.5 U1.76(PTA25/CMP3_IN5/ULPI_DATA3/MII0_)
GPIO_4: J10.6 U1.47(PTE26/ADC3_SE5B/ENET_1588_CLKIN)
GPIO_5: J10.7 U1.48(PTE27/ADC3_SE4B/U\A\R\T\4\_\R\T)
GPIO_6: J10.8 U1.49(PTE28/ADC3_SE7A)
GPIO_7: J10.9 U1.58(PTA6/ADC3_SE6A/ULPI_CLK/FTM0_CH)
GPIO_8: J10.10 U1.61(PTA9/ADC3_SE5A/ULPI_STP/FTM1_CH)
GPIO_9: J10.11 U1.62(PTA10/ADC3_SE4A/ULPI_DATA0/FTM2)
GPIO_10: J10.12 U1.63(PTA11/ADC3_SE15/ULPI_DATA1/FTM2)
GPIO_IN_1: R109.2 SW1.3(B1) SW1.4(B2) U1.85(PTB4/ADC1_SE10/ENET0_1588_TMR2/)
GPIO_IN_2: R110.2 SW2.3(B1) SW2.4(B2) U1.86(PTB5/ADC1_SE11/ENET0_1588_TMR3/)
GPIO_OUT_1: R101.2 U1.89(PTB8/U\A\R\T\3\_\R\T\S\/FB_AD21)
GPIO_OUT_2: R102.2 U1.90(PTB9/SPI1_PCS1/U\A\R\T\3\_\C\T\)
GPIO_OUT_3: R106.2 U1.91(PTB10/ADC1_SE14/SPI1_PCS0/UART3)
GPIO_OUT_4: R105.2 U1.138(PTD9/I2C0_SDA/UART5_TX/FB_A17/N)
GPRS_CTS: J22.6 U1.126(PTC19/U\A\R\T\3\_\C\T\S\/ENET0_)
GPRS_DCD: J22.10 U1.141(PTD12/SPI2_SCK/FTM3_FLT0/SDHC0_)
GPRS_DTR: J22.9 U1.140(PTD11/SPI2_PCS0/U\A\R\T\5\_\C\T)
GPRS_PWR_CNTL: R148.2 R154.2 U1.144(PTD15/SPI2_PCS1/SDHC0_D7/FB_A23)
GPRS_RI: J22.12 U1.142(PTD13/SPI2_SOUT/SDHC0_D5/FB_A21)
GPRS_RST: J22.14 U1.143(PTD14/SPI2_SIN/SDHC0_D6/FB_A22)
GPRS_RTS: J22.8 U1.125(PTC18/U\A\R\T\3\_\R\T\S\/ENET0_)
GPRS_RX: J22.4 U1.124(PTC17/CAN1_TX/UART3_TX/ENET0_15)
GPRS_TX: J22.2 U1.123(PTC16/CAN1_RX/UART3_RX/ENET0_15)
HOSTUSB_C_D_N: J11.A2(DATA+) L14.2 U18.6(I/O6)
HOSTUSB_C_D_P: J11.A3(DATA-) L14.3 U18.1(I/O1)
I1A_IN: CT1.1 R28.1 U6.2(VINA-)
I1A_OUT: C34.1 R27.2 U1.25(ADC3_DP0/ADC2_DP3/ADC1_DP1)
I2A_N: C37.2 C40.2 R34.2 U1.24(ADC2_DM0/ADC3_DM3/ADC0_DM1)
I2A_P: C36.1 C37.1 R29.2 U1.23(ADC2_DP0/ADC3_DP3/ADC0_DP1)
I2C_SCL: R6.2 R14.2 TP6.1(PIN1) U1.83(PTB2/ADC0_SE12/TSI0_CH7/I2C0_SC)
I2C_SDA: R5.2 R15.2 TP5.1(PIN1) U1.84(PTB3/ADC0_SE13/TSI0_CH8/I2C0_SD)
L_XIN: R96.2 U12.44(X1)
L_XOUT: C78.1 U12.43(X2) Y2.2
LED3: R90.2 U12.24(SD14/LED3)
MODE0: R56.1 R63.2 U11.8(RXD0/MODE0)
MODE1: R57.1 R64.2 U11.7(RXD1/MODE1)
NORFLASH_WP: R23.1 R26.2 U5.3(W\/VPP)
PHY_INT_B: R71.2 U11.14(IN\T\/REFCLKO)
PHY_LED1: P1.12(LED1+) U11.3(LED1/REGOFF)
PHY_LED2: R68.2 U11.2(LED2/IN\T\S\E\L\)
PHY_RST_B: R69.2 U11.15(R\S\T\)
PWRST#: R98.2 U12.40(P\W\R\S\T\)
RBIAS: R73.1 U11.24(RBIAS)
RESET_B: C97.1 J18.15 R11.2 R69.1 R98.1 R144.2 R146.2
RMII0_CRS_DV: R58.1 U1.66(PTA14/CMP3_IN0/SPI0_PCS0/UART0_) U11.11(CRS_DV/MODE2)
RMII0_MDC: R7.2 U1.82(PTB1/ADC0/1/2/3_SE9/TSI0_CH6/I2) U11.13(MDC)
RMII0_MDIO: R8.2 U1.81(PTB0/ADC0/1/2/3_SE8/TSI0_WU/I2C) U11.12(MDIO)
RMII0_RXD0: R63.1 U1.65(PTA13/CAN0_RX/FTM1_CH1/RMII0_RX)
RMII0_RXD1: R64.1 U1.64(PTA12/CAN0_TX/FTM1_CH0/RMII0_RX)
RMII0_RXER: R70.1 R74.2 U1.55(PTA5/USB_CLKIN/FTM0_CH2/RMII0_R) U11.10(RXER/PHYAD0)
RMII0_TXD0: R2.1 U11.17(TXD0)
RMII0_TXD1: R4.1 U11.18(TXD1)
RMII0_TXEN: U1.67(PTA15/CMP3_IN1/SPI0_SCK/UART0_R) U11.16(TXEN)
RS485_5V: C85.1 C87.2 C88.1 L15.2 L16.2 L17.2 R103.1 R104.1 R114.1 R116.1 R118.1 R123.1 R126.1 R130.1 U19.1(ANODE) U21.8(VCC) U24.1(ANODE) U25.8(VCC)
RS485I_A: J12.2 R116.2 R122.1 TVS2.2(A2) U21.6(A)
RS485I_B: R117.2 R124.2 R128.1 TVS3.1(A1) U21.7(B)
RS485I_DIR: R115.2 U1.14(PTE11/ADC3_SE16/U\A\R\T\5\_\R\T)
RS485I_RX: R112.1 U1.46(PTE25/ADC0_SE18/XTAL1/CAN1_RX/U) U19.4(COLLECTOR)
RS485I_TX: R119.2 U1.45(PTE24/ADC0_SE17/EXTAL1/CAN1_TX/)
RS485IA: J13.2 R122.2 V4.1
RS485IB: J13.4 R128.2 V5.2
RS485II_A: J14.2 R126.2 R129.1 TVS4.2(A2) U25.6(A)
RS485II_B: R127.2 R132.2 R133.1 TVS5.1(A1) U25.7(B)
RS485II_DIR: R125.2 U1.13(PTE10/U\A\R\T\5\_\C\T\S\/FTM3_C)
RS485II_RX: R120.1 U1.12(PTE9/ADC2_SE17/UART5_RX/FTM3_CH) U24.4(COLLECTOR)
RS485II_TX: R131.2 U1.11(PTE8/ADC2_SE16/UART5_TX/FTM3_CH)
RS485IIA: J15.1 R129.2 V6.1
RS485IIB: J15.3 R133.2 V7.2
RTC_XTALI: C21.1 QZ1.2 R12.2
RTC_XTALO: C20.1 QZ1.1 U1.40(XTAL32)
RX232_RX1: R141.2 TP24.1(PIN1)
RX232_TX1: R137.2 TP23.1(PIN1)
SPI1_PCS0: R24.1 U1.7(PTE4/SPI1_PCS0/UART3_TX/SDHC0_D) U5.1(S\)
SPI1_PCS2: J21.4 U1.8(PTE5/SPI1_PCS2/UART3_RX/SDHC0_D)
SPI1_SCK: J21.8 R13.1 U5.6(C)
SPI1_SIN: J21.6 U1.4(PTE3/ADC1_SE7A/SPI1_SIN/U\A\R\T) U5.2(Q)
SPI1_SOUT: J21.12 U1.2(PTE1/ADC1_SE5A/SPI1_SOUT/UART1_) U5.5(D)
SWD_CLK: J18.9 U1.50(PTA0/TSI0_CH1/U\A\R\T\0\_\C\T\S)
SWD_DIO: J18.7 U1.53(PTA3/TSI0_CH4/U\A\R\T\0\_\R\T\S)
U1_L: C41.1 J3.2 R36.1 V1.1
U1_N: C41.2 J3.1 PT1.2 V1.2
U1P_IN: PT1.4 R33.1 U6.6(VINB-)
U1P_OUT: C39.1 R31.2 U1.36(ADC0_SE16/ADC0_SE21/CMP1_IN2)
U2_IN_L: C43.1 D15.A(C1) PT2.4 R37.1 R42.1 R43.1
U2_IN_N: C45.2 D16.A(C1) PT2.3 R39.1 R43.2 R44.2
U2_L: C44.1 J4.2 R41.1 V2.1
U2_N: C44.2 J4.1 PT2.2 V2.2
U2P_OUT: C42.1 R38.2 U1.27(ADC0_DP0/ADC1_DP3)
U3_IN_N: C52.2 C54.2 R54.2 U1.30(ADC1_DM0/ADC0_DM3)
U3_IN_P: C50.1 C52.1 R49.2 U1.29(ADC1_DP0/ADC0_DP3)
U3_L: C51.1 J7.2 R50.1 V3.1
U3_N: C51.2 J7.1 PT3.2 V3.2
UART1_RX: R140.1 TP22.1(PIN1) U1.106(PTC3/SPI0_PCS1/UART1_RX/FTM0_CH)
UART1_TX: R136.1 TP21.1(PIN1) U1.1(PTE0/ADC1_SE4A/SPI1_PCS1/UART1_)
USB_5V: R3.1 U1.22(VREGIN)
USB_5V_HOST: C80.1 C81.1 J11.A1(VCC) L12.2 U18.5(VCC)
USB_EN: R111.2 TP20.1(PIN1) U17.3(ENABLE)
USB_HOST_D_N: L14.1 R10.2
USB_HOST_D_P: L14.4 R9.2
USB_HOST_VBUS: C84.1 L12.1 U17.6(VOUT)
VOUT33: C17.1 C18.1 U1.21(VOUT33)
VREF_1V2: C58.1 C59.1 L10.1 TP7.1(PIN1) U8.5(VOUT_SENSE) U8.6(VOUT_FORCE)
VREF_ADC: C123.1 L9.2 L10.2 L26.2 L27.2 R162.1
VREF_ADC_HALF: C119.1 C120.1 C121.1 C122.1 CT1.2 L26.1 PT1.3 R30.2 R32.1 R35.1 R51.2 R53.1 TP44.1(PIN1) U6.3(VINA+) U6.5(VINB+) U32.1(1OUT) U32.2(1IN-) U32.6(2IN-) U32.7(2OUT)
VREF_HALF: C123.2 C124.1 R162.2 R163.1 U32.3(1IN+) U32.5(2IN+)
VREF_OUT: C11.1 C12.1 L9.1 U1.37(VREF_OUT/CMP0_IN5/ADC1_SE18/CMP)
VREFH: C13.1 C14.1 L1.1 L27.1 U1.32(VREFH)
WAKE: R81.1 R88.2 R91.2 U12.22(SD15/WAKE)
WDOG: R145.2 R147.2 U1.75(PTA24/CMP3_IN4/ULPI_DATA2/MII0_)
WIFI/LCD_GPIO1: J21.13 U1.9(PTE6/SPI1_PCS3/U\A\R\T\3\_\C\T\)
WIFI/LCD_GPIO2: J21.15 U1.10(PTE7/U\A\R\T\3\_\R\T\S\/FTM3_CH)
WIFI/LCD_GPIO3: J21.17 U1.15(PTE12/ADC3_SE17/FTM3_CH7/I2S0_T)
WIFI/LCD_GPIO4: J21.19 U1.139(PTD10/U\A\R\T\5\_\R\T\S\/FB_A18)
